# Allegro board MCU.brd
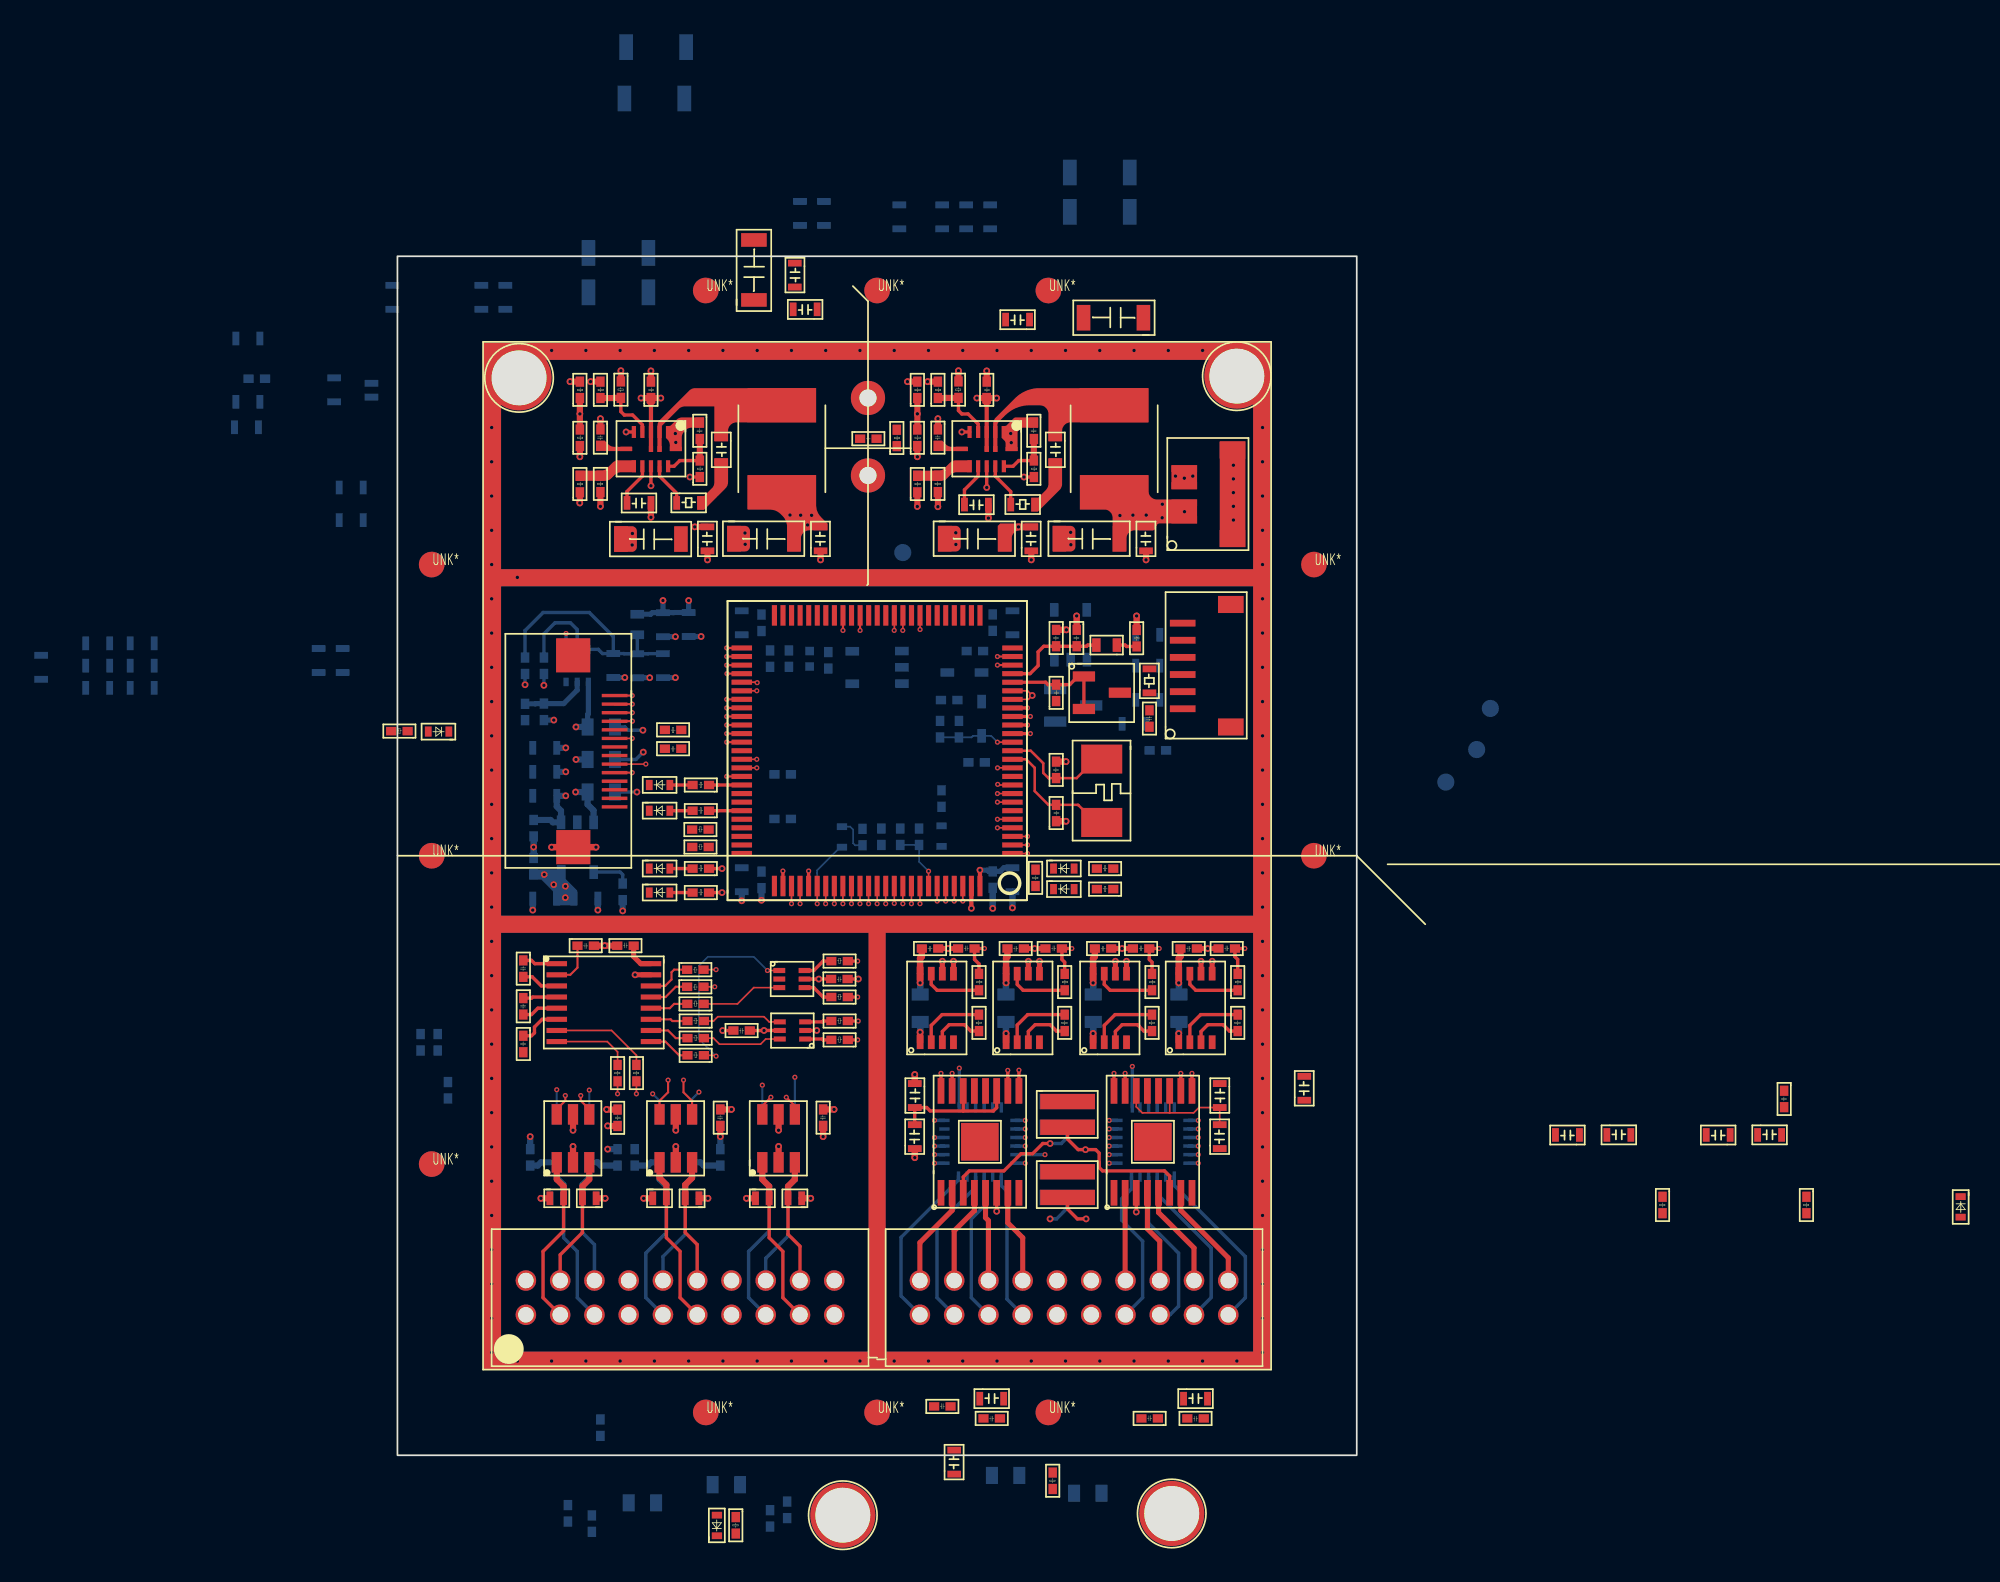
[diagram p0: board, top side]
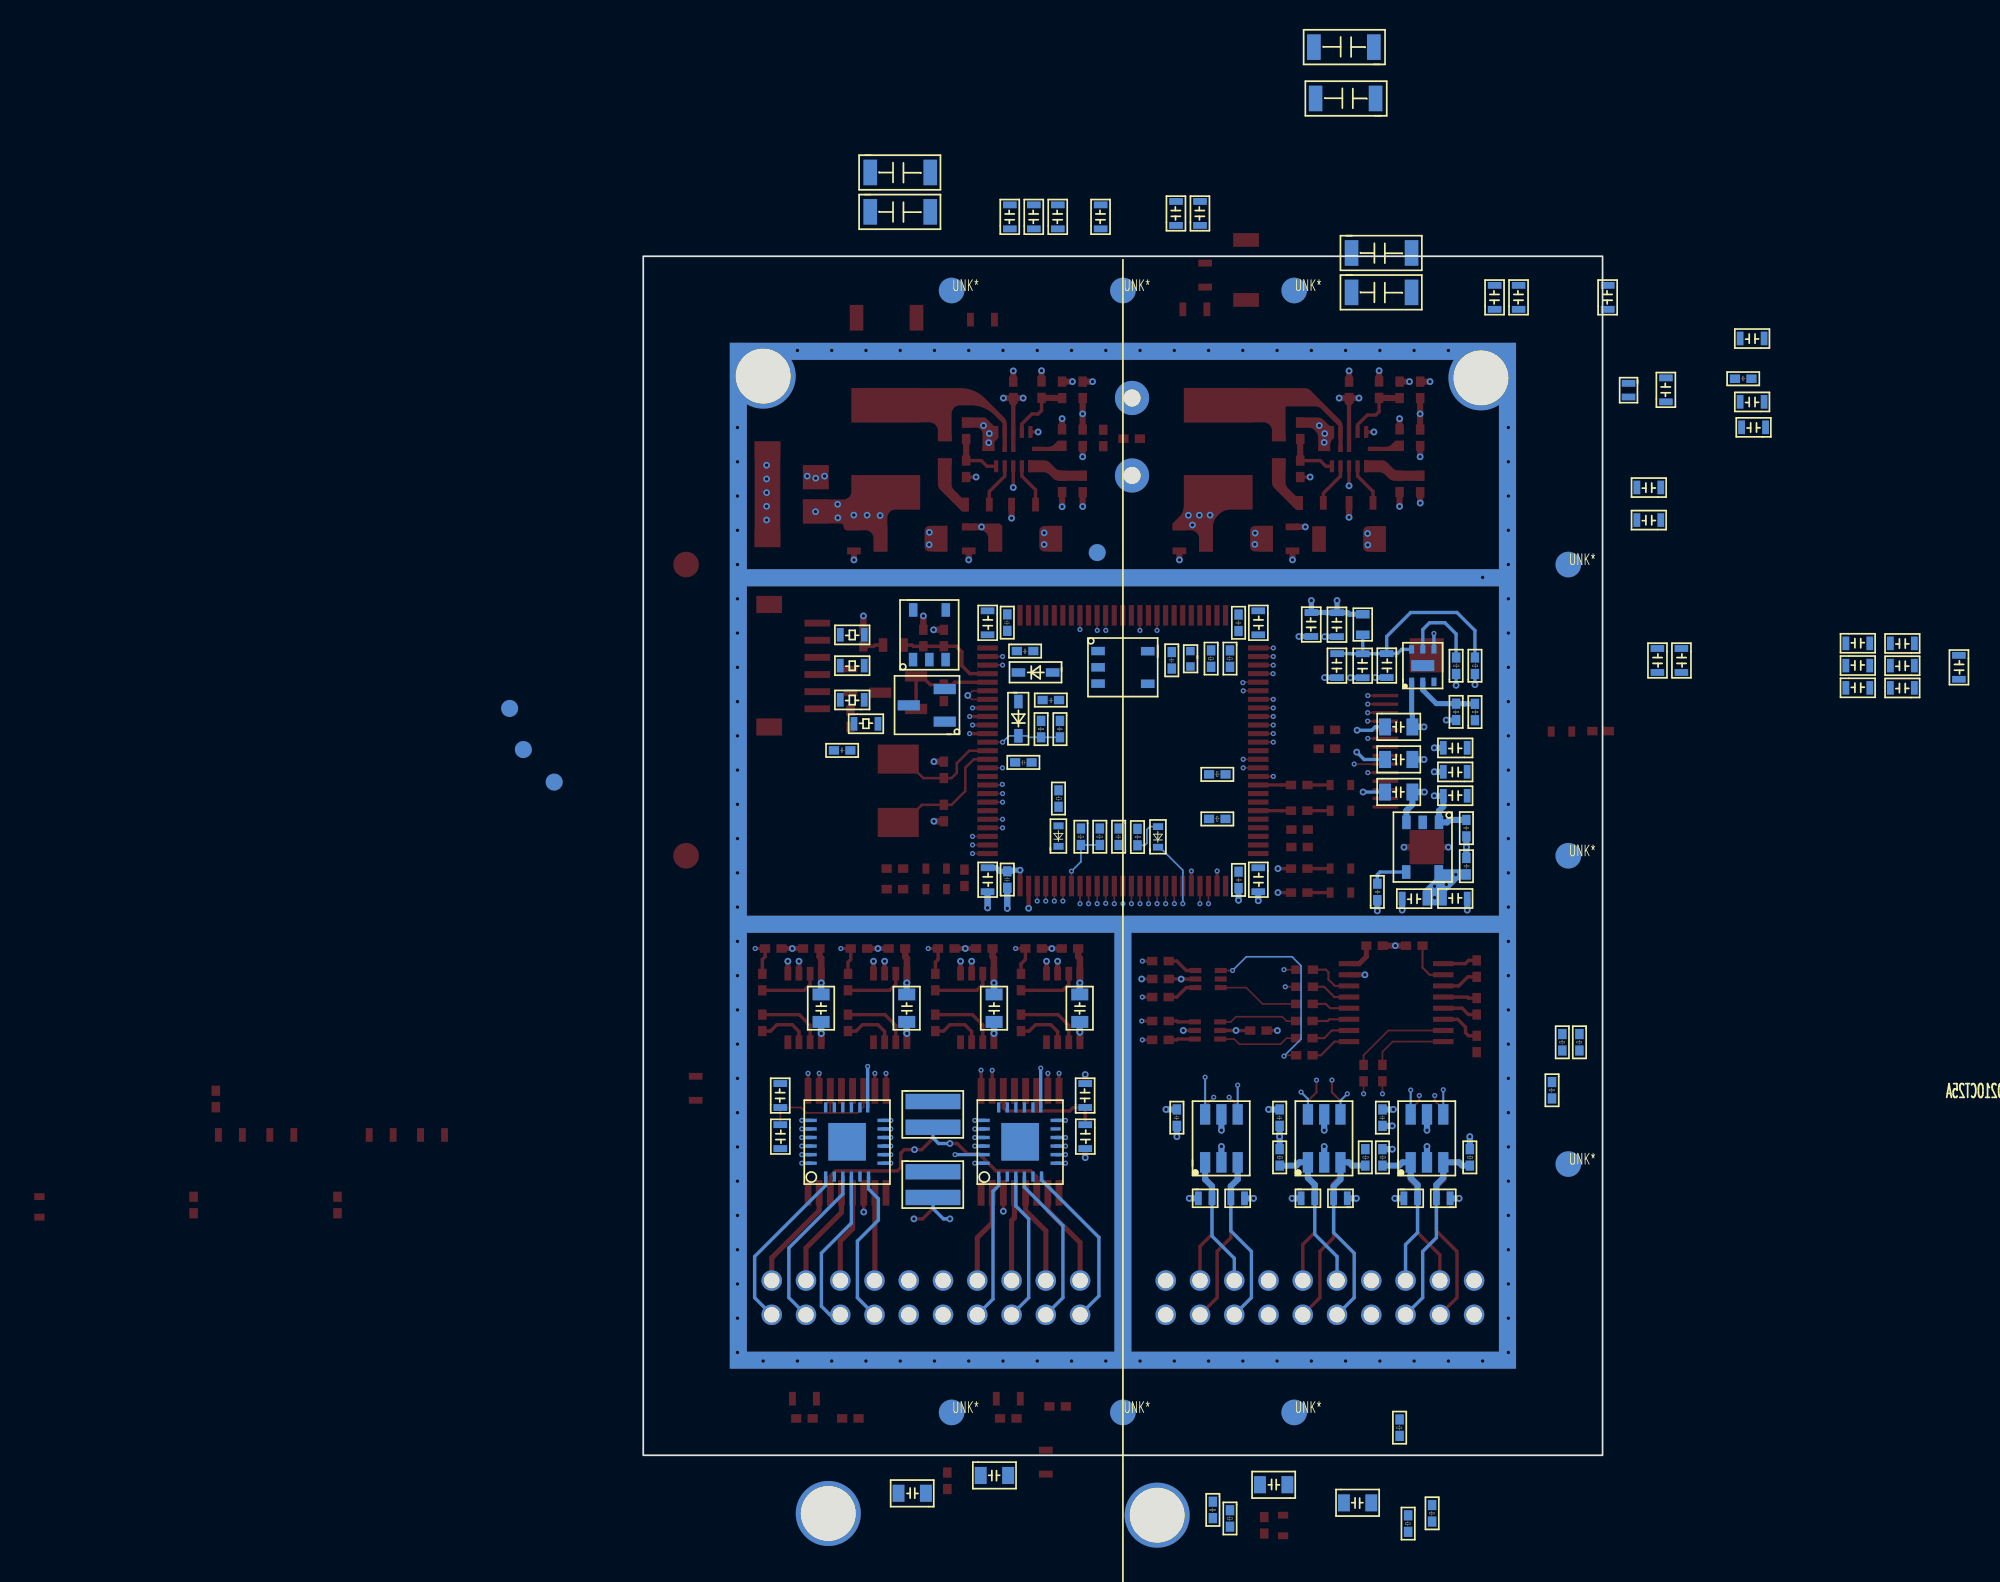
[diagram p1: board, bottom side, seen from below]

Outline 56 x 70 mm; copper layers: TOP, GND-L2, SIGNAL-L3, SIGNAL-L4, GND-L5, PWR-L6, SIGNAL-L7, SIGNAL-L8, GND-L9, BOTTOM. Coordinates in mm from the lower left corner of the outline.
Outline path: rectangle 0,0 56,70

## Design rules (mm)
constraint set DEFAULT: min track width 0.1
net group M1_I_ADC: nets M1_I_ADC N10404
net group M2_I_ADC: nets M2_I_ADC N11136
net group M3_I_ADC: nets M3_I_ADC N28759
net group M4_I_ADC: nets M4_I_ADC N28731
net group MCU_LED1: nets MCU_LED1 N7936310
net group MCU_LED2: nets MCU_LED2 N7936621
net group MCU_LED3: nets MCU_LED3 N7936920
net group MCU_LED4: nets MCU_LED4 N7937230
net group MCU_UART3_RXD: nets MCU_UART3_RXD N9050708
net group MCU_UART3_TXD: nets MCU_UART3_TXD N9050029
net group MCU_UART4_RXD: nets MCU_UART4_RXD N9050720
net group MCU_UART4_TXD: nets MCU_UART4_TXD N9050041
net group MG8: nets M4_PWM+ M4_PWM-
net group MG9: nets M3_PWM+ M3_PWM-
net group MG10: nets M2_PWM+ M2_PWM-
net group MG11: nets M1_PWM+ M1_PWM-
net group N07800: nets N07800 N07815
net group N08892: nets N08892 N08904
net group N28299: nets N28299 N28303
net group N28307: nets N28307 N28311
net group N7119824: nets N7119824 N7119964
net group N7119928: nets N7119928 N7120000
net group N8196950: nets N8196950 N8196956
net group N8197004: nets N8197004 N8197018
net group N8197074: nets N8197074 N8197078
net group N8197176: nets N8197176 N8197194
net group MG12: nets MCU_SPI2_MISO MCU_SPI2_MOSI MCU_SPI2_NSS MCU_SPI2_SCK
net group PT100-1: nets N57288 PT100-1 PT100-2 PT100-3
net group RXD1: nets N7132405 N7303158 N9050712 RXD1
net group RXD2: nets N7132409 N7303185 N9050724 RXD2
net group TXD1: nets N7132397 N7303093 N9050033 TXD1
net group TXD2: nets N7132401 N7303131 N9050045 TXD2

## Placement (name value [footprint] x y rotation side)
C61  22uF/50V  [C1206]  21.6 67.6 90 top
C62  22uF/50V  [C1206]  13.4 80 0 bottom
C63  22uF/50V  [C1206]  43.4 67.2 180 top
C64  22uF/50V  [C1206]  13.5 83 0 bottom
C69  15nF  [C0402]  11.6 59.9 270 top
C70  15nF  [C0402]  31.3 59.9 270 top
C75  100pF/25V  [C0603]  14.9 56 180 top
C76  150pF/25V  [C0603]  34.6 55.9 180 top
C79  0.1uF  [C0402]  15.05 61.71 90 top
C80  0.1uF  [C0402]  34.65 61.71 90 top
C84  1uF/10V  [C0402]  17.4 60.3 270 top
C85  1uF/10V  [C0402]  36.9 60.3 270 top
C88  0.1uF  [C0603]  18.5 59.5 270 top
C89  0.1uF  [C0603]  38 59.5 270 top
C103  22uF/25V  [C1206]  19.8 52.72 0 top
C104  22uF/25V  [C1206]  32.1 52.72 0 top
C115  22uF/25V  [C1206]  13.2 52.7 0 top
C116  0.1uF/25V  [C0603]  32.8 71.5 90 bottom
C117  22uF/25V  [C1206]  38.8 52.72 0 top
C124  22uF/25V  [C1206]  42.6 71.8 180 bottom
C126  0.1uF/25V  [C0603]  25.1 52.7 90 top
C127  0.1uF/25V  [C0603]  37.4 52.7 90 top
C130  0.1uF  [C0603]  13 46.9 270 bottom
C131  0.1uF  [C0603]  44.1 52.7 90 top
C132  0.1uF  [C0603]  -3.5 56.9 0 bottom
C136  0.1uF  [C0402]  35 34.1 270 bottom
C137  10uF  [C0603]  36.3 34.4 270 bottom
C138  0.1uF  [C0402]  21.5 49.09 270 bottom
C139  1uF  [C0603]  10.2 32.9 0 bottom
C141  0.1uF  [C0402]  38.2 48.2 270 top
C142  0.1uF  [C0402]  39.4 48.2 270 top
C153  0.1uF  [C0402]  80.7 21.29 270 top
C154  0.1uF  [C0402]  34.2 46.7 180 bottom
C155  1uF  [C0603]  9.4 38.1 180 bottom
C156  10uF  [C0603]  20.5 49.4 270 bottom
C157  0.01uF  [C0402]  12.9 32.4 90 bottom
C158  0.1uF  [C0402]  -8.7 63.1 0 bottom
C159  1uF  [C0603]  9.4 32.1 180 bottom
C160  0.1uF  [C0402]  8.2 37.1 270 bottom
C161  10uF  [C0603]  36.3 49.4 270 bottom
C162  0.1uF  [C0402]  43.4 47.21 90 top
C163  0.1uF  [C0402]  25.4 46.9 270 bottom
C166  2.2uF  [C0603]  29.8 21.8 270 top
C167  2.2uF  [C0603]  30.6 17.8 90 top
C168  0.1uF  [C0402]  35 49.1 270 bottom
C169  2.2uF  [C0603]  47.6 21.8 270 top
C170  2.2uF  [C0603]  48.4 17.8 90 top
C174  10uF  [C0603]  77.9 19.1 180 top
C176  0.1uF  [C0402]  28.5 36.6 270 bottom
C177  0.1uF  [C0603]  79.3 18.3 0 top
C178  0.1uF  [C0402]  34.2 1.9 0 top
C179  4.7uF  [C0603]  32.9 -1.2 90 top
C180  4.7uF  [C0603]  45.79 2.9 0 top
C181  0.1uF  [C0402]  46.1 1.9 0 top
C185  2.2uF  [C0603]  48.4 19.4 270 bottom
C187  4.7uF  [C0603]  33.89 2.9 0 top
C188  4.7uF  [C0603]  53.34 20.62 90 top
C189  10uF  [C0603]  20.5 34.4 270 bottom
C190  2.2uF  [C0603]  47.6 20.2 90 bottom
C194  0.1uF  [C0402]  32.3 3.1 180 top
C196  0.1uF  [C0402]  44.4 2.4 180 top
C203  0.1uF  [C0402]  15.6 41 0 top
C364  0.1uF/50V  [C0603]  -4.2 47.2 270 bottom
C365  0.1uF/50V  [C0603]  22.8 69.7 270 top
C366  0.1uF/50V  [C0603]  24.6 67.3 180 top
C370  0.1uF/25V  [C0603]  -18.3 46.5 0 bottom
C371  0.1uF/25V  [C0603]  -18.3 47.8 0 bottom
C372  0.1uF/25V  [C0603]  -18.3 45.2 0 bottom
C373  0.1uF/25V  [C0603]  -14.1 45.7 180 bottom
C374  0.1uF/25V  [C0603]  -14.1 47 180 bottom
C375  0.1uF/25V  [C0603]  -14.1 44.4 180 bottom
C385  0.1uF/50V  [C0603]  -2.8 47.2 270 bottom
C386  0.1uF/50V  [C0603]  -20.4 46.8 270 bottom
C387  0.1uF/50V  [C0603]  37 66.7 180 top
C413  0.1uF/25V  [C0603]  28.9 71.5 90 bottom
C416  0.1uF/25V  [C0603]  -0.7 66.8 90 bottom
C422  0.1uF/25V  [C0603]  23.1 71.7 90 bottom
C423  0.1uF/25V  [C0603]  18.5 52.7 90 top
C427  0.1uF/25V  [C0603]  16.6 47.7 90 bottom
C429  0.1uF/25V  [C0603]  -3.5 55 0 bottom
C435  0.1uF/25V  [C0603]  5.9 66.8 90 bottom
C436  0.1uF/25V  [C0603]  4.5 66.8 90 bottom
C437  0.1uF/25V  [C0603]  15.1 47.69 90 bottom
C441  0.1uF/25V  [C0603]  34.2 71.5 90 bottom
C442  0.1uF/25V  [C0603]  31.4 71.5 90 bottom
C443  0.1uF/25V  [C0603]  24.5 71.7 90 bottom
C460  0.1uF  [C0402]  21 33.1 90 bottom
C461  10uF  [C0603]  13.6 45.29 90 bottom
C466  10uF  [C0603]  15.1 45.3 90 bottom
C472  0.1uF  [C0402]  43.9 41.4 0 bottom
C487  0.1uF  [C0402]  38.7 44.02 90 top
C488  10uF  [C0603]  7.8 41.7 0 bottom
C492  10uF  [C0805]  29.9 25.1 90 bottom
C493  10uF  [C0805]  12.9 41.9 180 bottom
C494  10uF  [C0805]  12.9 40 180 bottom
C495  10uF  [C0805]  12.9 38.1 180 bottom
C503  10uF  [C0603]  7.8 40.3 0 bottom
C504  0.1uF  [C0402]  31.93 42.88 270 bottom
C513  22pF  [C0402]  38.2 40.5 270 top
C515  0.1uF  [C0402]  19.6 24.55 0 top
C525  0.1uF  [C0402]  34.3 40.2 180 bottom
C527  22pF  [C0402]  38.7 37 90 top
C532  0.1uF  [C0402]  32.7 43.84 180 bottom
C539  0.1uF  [C0402]  25.31 27.55 0 top
C546  0.1uF  [C0402]  43.65 43.5 270 top
C553  0.1uF  [C0402]  13.1 19.21 90 top
C566  0.1uF  [C0402]  35.6 29.33 0 top
C567  0.1uF  [C0402]  38.8 29.83 180 top
C568  0.1uF  [C0402]  45.7 29.33 0 top
C569  0.1uF  [C0402]  43.9 29.83 180 top
C570  0.1uF  [C0402]  40.7 29.33 0 top
C571  0.1uF  [C0402]  48.9 29.83 180 top
C572  0.1uF  [C0402]  30.6 29.33 0 top
C573  0.1uF  [C0402]  7.7 33.9 90 bottom
C574  0.1uF  [C0402]  33.7 29.83 180 top
C590  10uF  [C0603]  69.1 19.1 180 top
C591  0.1uF  [C0402]  13.8 30 180 top
C592  0.1uF  [C0603]  70.5 18.3 0 top
C594  2.2uF  [C0603]  30.6 19.4 270 bottom
C595  2.2uF  [C0603]  29.8 20.2 90 bottom
C596  0.1uF  [C0402]  7.1 28.9 270 top
C600  0.1uF  [C0402]  19.1 20.2 270 bottom
C601  0.1uF  [C0402]  7.1 26.7 270 top
C603  0.1uF  [C0402]  25.1 20.2 270 bottom
C606  0.1uF  [C0402]  13.1 20.2 270 bottom
C607  0.1uF  [C0402]  10.5 29.5 0 top
C609  0.1uF  [C0402]  18.6 20.2 270 top
C610  0.1uF  [C0402]  24.6 20.2 270 top
C611  0.1uF  [C0402]  7.1 24.5 270 top
C642  22uF  [C0805]  36.5 -1.8 180 bottom
C643  22uF  [C0805]  15.3 -3.4 180 bottom
C644  10uF  [C0603]  -4.1 61.4 90 bottom
C645  10uF  [C0603]  -9.53 65.6 0 bottom
C646  10uF  [C0603]  -9.53 61.9 0 bottom
C647  10uF  [C0603]  -9.62 60.41 0 bottom
C648  22uF  [C0805]  18.2 -1.1 0 bottom
C649  22uF  [C0805]  39.3 -1.6 0 bottom
C650  22uF/25V  [C1206]  42.6 74.1 180 bottom
C651  22uF/25V  [C1206]  14.5 67.1 180 bottom
C652  22uF/25V  [C1206]  14.5 69.4 180 bottom
C653  10uF  [C0805]  34.9 25.1 90 bottom
C654  10uF  [C0805]  40 25.1 90 bottom
C655  10uF  [C0805]  45 25.1 90 bottom
D14  LED  [LED0402]  14.8 38.88 0 top
D15  LED  [LED0402]  14.8 37.38 0 top
D16  LED  [LED0402]  14.8 32.6 0 top
D17  LED  [LED0402]  14.8 34 0 top
D18  1N4148WT  [SOD-523F]  32.1 45.7 270 bottom
D19  LED  [LED0402]  31.51 35.65 90 bottom
D20  LED  [LED0402]  38.4 32.8 0 top
D21  LED  [LED0402]  38.4 34 0 top
D22  ESD5451X  [DF1006]  8.8 15.3 0 bottom
D24  ESD5451X  [DF1006]  -1.22 62.68 270 bottom
D25  ESD5451X  [DF1006]  11.7 14.7 180 bottom
D40  1N4148WT  [SOD-523F]  34.1 44 180 bottom
D41  BLUE  [LED0402]  2.9 42.5 180 top
D42  BLUE  [LED0402]  91 15 270 top
D43  LED  [LED0402]  25.7 35.6 90 bottom
D44  ESD5451X  [DF1006]  14.8 14.7 0 top
D45  ESD5451X  [DF1006]  17.7 15.3 180 top
D47  ESD5451X  [DF1006]  8.8 14.7 0 top
D48  ESD5451X  [DF1006]  11.7 15.3 180 top
D49  ESD5451X  [DF1006]  23.7 14.7 180 bottom
D50  ESD5451X  [DF1006]  20.8 15.3 0 bottom
D52  ESD5451X  [DF1006]  20.8 14.7 0 top
D53  ESD5451X  [DF1006]  23.7 15.3 180 top
D54  ESD5451X  [DF1006]  14.8 15.3 0 bottom
D55  ESD5451X  [DF1006]  17.7 14.7 180 bottom
D56  BLUE  [LED0402]  18.9 -4.6 90 top
J7  HEADER1x6  [SH1D0-SMD-VER-6P]  49.3 42.1 90 top
J16  HEADER-1X4  [SH1D0-SMD-VER-4P]  49.4 53.1 90 top
J22  CONNECTOR-2X10P  [PHB2D0MM-2X10P-VER]  7.5 10.2 0 top
J23  CONNECTOR-2X10P  [PHB2D0MM-2X10P-VER]  30.5 10.2 0 top
J24  FPC-14P-0.5  [FPC-14P-0D5]  9.2 41.1 270 top
L7  4.7uH/2A  [CD54-IND-2P]  19.9 61.3 270 top
L8  4.7uH/2A  [CD54-IND-2P]  39.3 61.3 270 top
L13  BLM18SP102SN1D  [FB0603]  14.4 49.3 270 bottom
L17  BLM18SP102SN1D  [FB0603]  42.2 47.7 180 top
L20  MPZ1005D330ET000  [FB0402]  24.3 47 270 bottom
NOREF  -  []  26.1 71.7 90 top
NOREF#2  -  []  -12.5 47 90 top
NOREF#3  -  []  5.85 37.1 90 top
NOREF#4  -  []  14.7 54.43 0 top
NOREF#5  -  []  37 68.3 0 top
NOREF#6  -  []  9.3 26.75 90 top
NOREF#7  -  []  37.81 66.7 90 top
NOREF#8  -  []  6.4 17.37 0 top
NOREF#9  -  []  6.4 16.59 90 top
NOREF#10  -  []  12.5 17.37 0 top
NOREF#11  -  []  41.4 47.31 0 top
NOREF#12  -  []  81.2 20.82 0 top
NOREF#13  -  []  2.7 24.13 90 top
NOREF#14  -  []  -5.1 55 90 top
NOREF#15  -  []  9.56 34.05 90 top
NOREF#16  -  []  25.24 20.37 90 top
NOREF#17  -  []  29.88 28.68 0 top
NOREF#18  -  []  33.75 1.76 0 top
NOREF#19  -  []  8.2 16.3 0 top
NOREF#20  -  []  40.37 31.88 90 top
NOREF#21  -  []  29.45 46 90 top
NOREF#22  -  []  10.82 -3.97 0 top
NOREF#23  -  []  35.14 34.27 90 top
NOREF#24  -  []  16.75 34.34 0 top
NOREF#25  -  []  -14.1 46.51 0 top
NOREF#26  -  []  17.5 16.59 90 top
NOREF#27  -  []  50 18.59 90 top
NOREF#28  -  []  35.8 61.39 0 top
NOREF#29  -  []  32.72 57.37 90 top
NOREF#30  -  []  45.95 28.41 90 top
NOREF#31  -  []  33 62.23 0 top
NOREF#32  -  []  40.58 40.81 90 top
NOREF#33  -  []  41 68.6 90 top
NOREF#34  -  []  32.24 42.41 0 top
NOREF#35  -  []  38.4 44.73 0 top
NOREF#36  -  []  29.8 20.99 0 top
NOREF#37  -  []  14.8 13.7 0 top
NOREF#38  -  []  35.9 35.13 90 top
NOREF#39  -  []  33.83 39.1 90 top
NOREF#40  -  []  7.8 38.1 90 top
NOREF#41  -  []  27.98 56.85 0 top
NOREF#42  -  []  23.1 72.51 0 top
NOREF#43  -  []  12.37 29.36 90 top
NOREF#44  -  []  33 71.5 90 top
NOREF#45  -  []  40.37 31.88 0 top
NOREF#46  -  []  43.18 23.53 90 top
NOREF#47  -  []  35.15 30.75 0 top
NOREF#48  -  []  44.19 3.71 0 top
NOREF#49  -  []  75.98 14.63 90 top
NOREF#50  -  []  7.38 45.94 0 top
NOREF#51  -  []  34.34 24.3 0 top
NOREF#52  -  []  35.46 45.3 90 top
NOREF#53  -  []  38.5 56.01 90 top
NOREF#54  -  []  17.73 30.72 0 top
NOREF#55  -  []  11.32 60.62 0 top
NOREF#56  -  []  83.08 20.82 90 top
NOREF#57  -  []  9.48 59.66 0 top
NOREF#58  -  []  25.83 26.22 90 top
NOREF#59  -  []  32.45 47.06 0 top
NOREF#60  -  []  20.91 37.62 90 top
NOREF#61  -  []  18.2 24.22 0 top
NOREF#62  -  []  -7.93 61.9 90 top
NOREF#63  -  []  37.92 37.47 0 top
NOREF#64  -  []  18.51 23.45 90 top
NOREF#65  -  []  18.2 0.15 0 top
NOREF#66  -  []  23.8 24.3 90 top
NOREF#67  -  []  22.22 -3.17 0 top
NOREF#68  -  []  35.63 1.76 90 top
NOREF#69  -  []  2.42 21.33 0 top
NOREF#70  -  []  37.1 49.29 0 top
NOREF#71  -  []  28.2 20.2 90 top
NOREF#72  -  []  48.66 28.56 0 top
NOREF#73  -  []  10.08 32.81 90 top
NOREF#74  -  []  84.38 14.63 90 top
NOREF#75  -  []  19.27 34.4 90 top
NOREF#76  -  []  25.41 67.3 90 top
NOREF#77  -  []  42.13 29.97 90 top
NOREF#78  -  []  29.18 56.86 0 top
NOREF#79  -  []  8.62 40.85 90 top
NOREF#80  -  []  38 23.85 0 top
NOREF#81  -  []  26.55 46.94 90 top
NOREF#82  -  []  39.8 36.69 90 top
NOREF#83  -  []  34.6 41.3 90 top
NOREF#84  -  []  13.02 60.07 90 top
NOREF#85  -  []  30.41 37.54 90 top
NOREF#86  -  []  13.98 28.99 90 top
NOREF#87  -  []  39.98 28.68 0 top
NOREF#88  -  []  21.2 69.7 90 top
NOREF#89  -  []  17.26 58.87 90 top
NOREF#90  -  []  28.43 58.96 90 top
NOREF#91  -  []  11.68 20.64 0 top
NOREF#92  -  []  43.45 39.98 0 top
NOREF#93  -  []  7.5 66.8 90 top
NOREF#94  -  []  34.37 48.12 0 top
NOREF#95  -  []  13.02 57.37 90 top
NOREF#96  -  []  34.4 71.5 90 top
NOREF#97  -  []  23.7 14.3 0 top
NOREF#98  -  []  44.98 28.68 0 top
NOREF#99  -  []  2.65 41.11 90 top
NOREF#100  -  []  18.46 20.37 90 top
NOREF#101  -  []  18.3 13.7 90 top
NOREF#102  -  []  35.49 36 0 top
NOREF#103  -  []  24.46 20.37 90 top
NOREF#104  -  []  16.4 52.7 90 top
NOREF#105  -  []  43.15 15 90 top
NOREF#106  -  []  17.7 13.7 0 top
NOREF#107  -  []  12.19 45.3 90 top
NOREF#108  -  []  34.9 23.1 90 top
NOREF#109  -  []  41.02 47.68 0 top
NOREF#110  -  []  33.58 47.67 90 top
NOREF#111  -  []  38.3 48.51 90 top
NOREF#112  -  []  10.05 30.92 0 top
NOREF#113  -  []  45.4 42.3 90 top
NOREF#114  -  []  43.51 45.55 0 top
NOREF#115  -  []  11.7 13.7 0 top
NOREF#116  -  []  47 25.1 90 top
NOREF#117  -  []  30.6 18.59 0 top
NOREF#118  -  []  12.24 61.95 0 top
NOREF#119  -  []  10.3 83 90 top
NOREF#120  -  []  12.9 39.9 90 top
NOREF#121  -  []  27.9 26.35 0 top
NOREF#122  -  []  15.29 39.9 0 top
NOREF#123  -  []  13.3 55.19 90 top
NOREF#124  -  []  19.29 35.5 90 top
NOREF#125  -  []  16 49.3 90 top
NOREF#126  -  []  31.93 17.05 90 top
NOREF#127  -  []  11.65 36.1 90 top
NOREF#128  -  []  17.7 14.3 0 top
NOREF#129  -  []  -18.3 48.61 0 top
NOREF#130  -  []  43.8 43.11 0 top
NOREF#131  -  []  4.5 67.61 0 top
NOREF#132  -  []  34.9 28.68 0 top
NOREF#133  -  []  14.5 71 0 top
NOREF#134  -  []  23.5 51.89 90 top
NOREF#135  -  []  38.1 23.53 90 top
NOREF#136  -  []  19.27 34.4 90 top
NOREF#137  -  []  25.83 28.1 0 top
NOREF#138  -  []  35.9 33.73 90 top
NOREF#139  -  []  20 -4.07 0 top
NOREF#140  -  []  32.1 45.7 0 top
NOREF#141  -  []  17.7 69.4 90 top
NOREF#142  -  []  46.8 17.8 90 top
NOREF#143  -  []  8.2 32.81 0 top
NOREF#144  -  []  20.5 32.8 0 top
NOREF#145  -  []  40.07 43.57 0 top
NOREF#146  -  []  37.5 12.2 0 top
NOREF#147  -  []  14.2 16.3 0 top
NOREF#148  -  []  9.3 28.7 0 top
NOREF#149  -  []  16.6 48.51 0 top
NOREF#150  -  []  21.64 34.53 0 top
NOREF#151  -  []  13.2 54.3 0 top
NOREF#152  -  []  53.25 15 90 top
NOREF#153  -  []  24.1 -3.17 90 top
NOREF#154  -  []  40.85 28.41 90 top
NOREF#155  -  []  11.3 57.83 0 top
NOREF#156  -  []  41.3 -1.6 90 top
NOREF#157  -  []  37.95 20.35 0 top
NOREF#158  -  []  32.27 62.18 0 top
NOREF#159  -  []  6.1 44.51 0 top
NOREF#160  -  []  15.2 44.48 90 top
NOREF#161  -  []  17.43 25.7 0 top
NOREF#162  -  []  13.1 23.89 0 top
NOREF#163  -  []  13.2 1.63 90 top
NOREF#164  -  []  53.34 19.81 0 top
NOREF#165  -  []  -20.4 47.61 0 top
NOREF#166  -  []  9.4 33.7 0 top
NOREF#167  -  []  50.22 24.3 90 top
NOREF#168  -  []  21.22 -3.67 0 top
NOREF#169  -  []  44.07 28.41 0 top
NOREF#170  -  []  21.88 -4.07 90 top
NOREF#171  -  []  19.8 54.32 0 top
NOREF#172  -  []  69.1 19.91 0 top
NOREF#173  -  []  18.33 26.96 90 top
NOREF#174  -  []  35.8 71.5 90 top
NOREF#175  -  []  35.49 34.4 90 top
NOREF#176  -  []  31.8 36.91 90 top
NOREF#177  -  []  34.6 44.3 0 top
NOREF#178  -  []  32.03 29.97 90 top
NOREF#179  -  []  30.7 36.91 90 top
NOREF#180  -  []  11.04 55.76 90 top
NOREF#181  -  []  36.3 47.8 0 top
NOREF#182  -  []  40 23.85 90 top
NOREF#183  -  []  4.3 21.33 90 top
NOREF#184  -  []  45.8 74.1 90 top
NOREF#185  -  []  -5.1 55.81 0 top
NOREF#186  -  []  11.7 14.3 0 top
NOREF#187  -  []  18.3 14.3 90 top
NOREF#188  -  []  33.08 23.53 90 top
NOREF#189  -  []  18.46 22.25 0 top
NOREF#190  -  []  16.07 39.9 90 top
NOREF#191  -  []  13.56 21.37 0 top
NOREF#192  -  []  18.33 27.96 90 top
NOREF#193  -  []  17.12 56.01 0 top
NOREF#194  -  []  31.02 60.62 0 top
NOREF#195  -  []  24.46 22.25 0 top
NOREF#196  -  []  48.18 23.53 90 top
NOREF#197  -  []  42.41 43 90 top
NOREF#198  -  []  0.78 41.11 0 top
NOREF#199  -  []  24.46 22.25 0 top
NOREF#200  -  []  35.8 51.89 0 top
NOREF#201  -  []  -0.7 67.61 0 top
NOREF#202  -  []  37.5 16.3 90 top
NOREF#203  -  []  37.03 29.97 90 top
NOREF#204  -  []  12.9 38 90 top
NOREF#205  -  []  45.79 0.8 0 top
NOREF#206  -  []  24.8 67.6 90 top
NOREF#207  -  []  13.24 20.37 90 top
NOREF#208  -  []  25.83 24.82 90 top
NOREF#209  -  []  12.46 22.25 0 top
NOREF#210  -  []  42.2 48.5 0 top
NOREF#211  -  []  -12.5 45.7 90 top
NOREF#212  -  []  9.39 31.3 0 top
NOREF#213  -  []  8.2 15.3 90 top
NOREF#214  -  []  20.8 13.7 0 top
NOREF#215  -  []  36.28 15.32 90 top
NOREF#216  -  []  46.8 18.61 0 top
NOREF#217  -  []  37.1 48.51 90 top
NOREF#218  -  []  33.79 44.34 90 top
NOREF#219  -  []  22.29 27.8 90 top
NOREF#220  -  []  41.4 46.5 90 top
NOREF#221  -  []  32.2 18.59 90 top
NOREF#222  -  []  10.21 32.1 90 top
NOREF#223  -  []  6.99 38.7 90 top
NOREF#224  -  []  24.2 46.53 90 top
NOREF#225  -  []  32.72 60.07 90 top
NOREF#226  -  []  31.73 15.32 0 top
NOREF#227  -  []  22.19 23.94 0 top
NOREF#228  -  []  38.7 41.59 0 top
NOREF#229  -  []  6.99 38.7 0 top
NOREF#230  -  []  17.69 61.1 0 top
NOREF#231  -  []  -2.8 48.01 0 top
NOREF#232  -  []  14.98 23.11 90 top
NOREF#233  -  []  38.5 -1.8 90 top
NOREF#234  -  []  42.6 68.6 90 top
NOREF#235  -  []  34.36 36.15 0 top
NOREF#236  -  []  39.34 24.3 0 top
NOREF#237  -  []  14.2 15.3 90 top
NOREF#238  -  []  44.44 24.3 0 top
NOREF#239  -  []  34.75 16.27 0 top
NOREF#240  -  []  0.82 24.13 0 top
NOREF#241  -  []  49.44 24.3 0 top
NOREF#242  -  []  23.1 13.7 90 top
NOREF#243  -  []  -2.5 61.4 90 top
NOREF#244  -  []  11.68 18.76 90 top
NOREF#245  -  []  21.22 46.53 0 top
NOREF#246  -  []  12.3 14.3 90 top
NOREF#247  -  []  15.3 -2.15 0 top
NOREF#248  -  []  40.37 33.08 0 top
NOREF#249  -  []  50.95 28.41 90 top
NOREF#250  -  []  33.75 46.16 90 top
NOREF#251  -  []  -16.7 45.2 90 top
NOREF#252  -  []  23.02 46.43 90 top
NOREF#253  -  []  16.15 60.62 90 top
NOREF#254  -  []  31.94 59.25 0 top
NOREF#255  -  []  43.51 43.67 90 top
NOREF#256  -  []  33.08 1.3 90 top
NOREF#257  -  []  19.24 20.37 90 top
NOREF#258  -  []  24.5 72.51 0 top
NOREF#259  -  []  37.5 12.2 0 top
NOREF#260  -  []  13.2 60.62 90 top
NOREF#261  -  []  -7.93 65.6 90 top
NOREF#262  -  []  29.6 50.65 0 top
NOREF#263  -  []  41.4 49.11 0 top
NOREF#264  -  []  -14.1 45.21 0 top
NOREF#265  -  []  26.12 36.91 90 top
NOREF#266  -  []  20.8 16.3 0 top
NOREF#267  -  []  33.87 28.41 0 top
NOREF#268  -  []  34.89 55.1 90 top
NOREF#269  -  []  7.74 23.07 0 top
NOREF#270  -  []  15.1 48.5 0 top
NOREF#271  -  []  46.38 15.32 90 top
NOREF#272  -  []  13.3 55.19 0 top
NOREF#273  -  []  8.88 35.39 0 top
NOREF#274  -  []  35.8 51.89 90 top